# Altium PCB drac_v3.PcbDoc (part 2 of 5)
Units mm, origin at the board's own origin, x right, y up, seen from the top; angles counter-clockwise.
Board outline 160 x 227.5 mm, 6 copper layers (Top Layer, Mid Layer 1_gnd, Mid Layer 2, Mid Layer 3, Mid Layer 4_gnd, Bottom Layer), stack 1.597 mm thick; 492 components, 264 nets, 1625 pads, 1112 vias.
Unrouted connection lines stored in the file: 68.
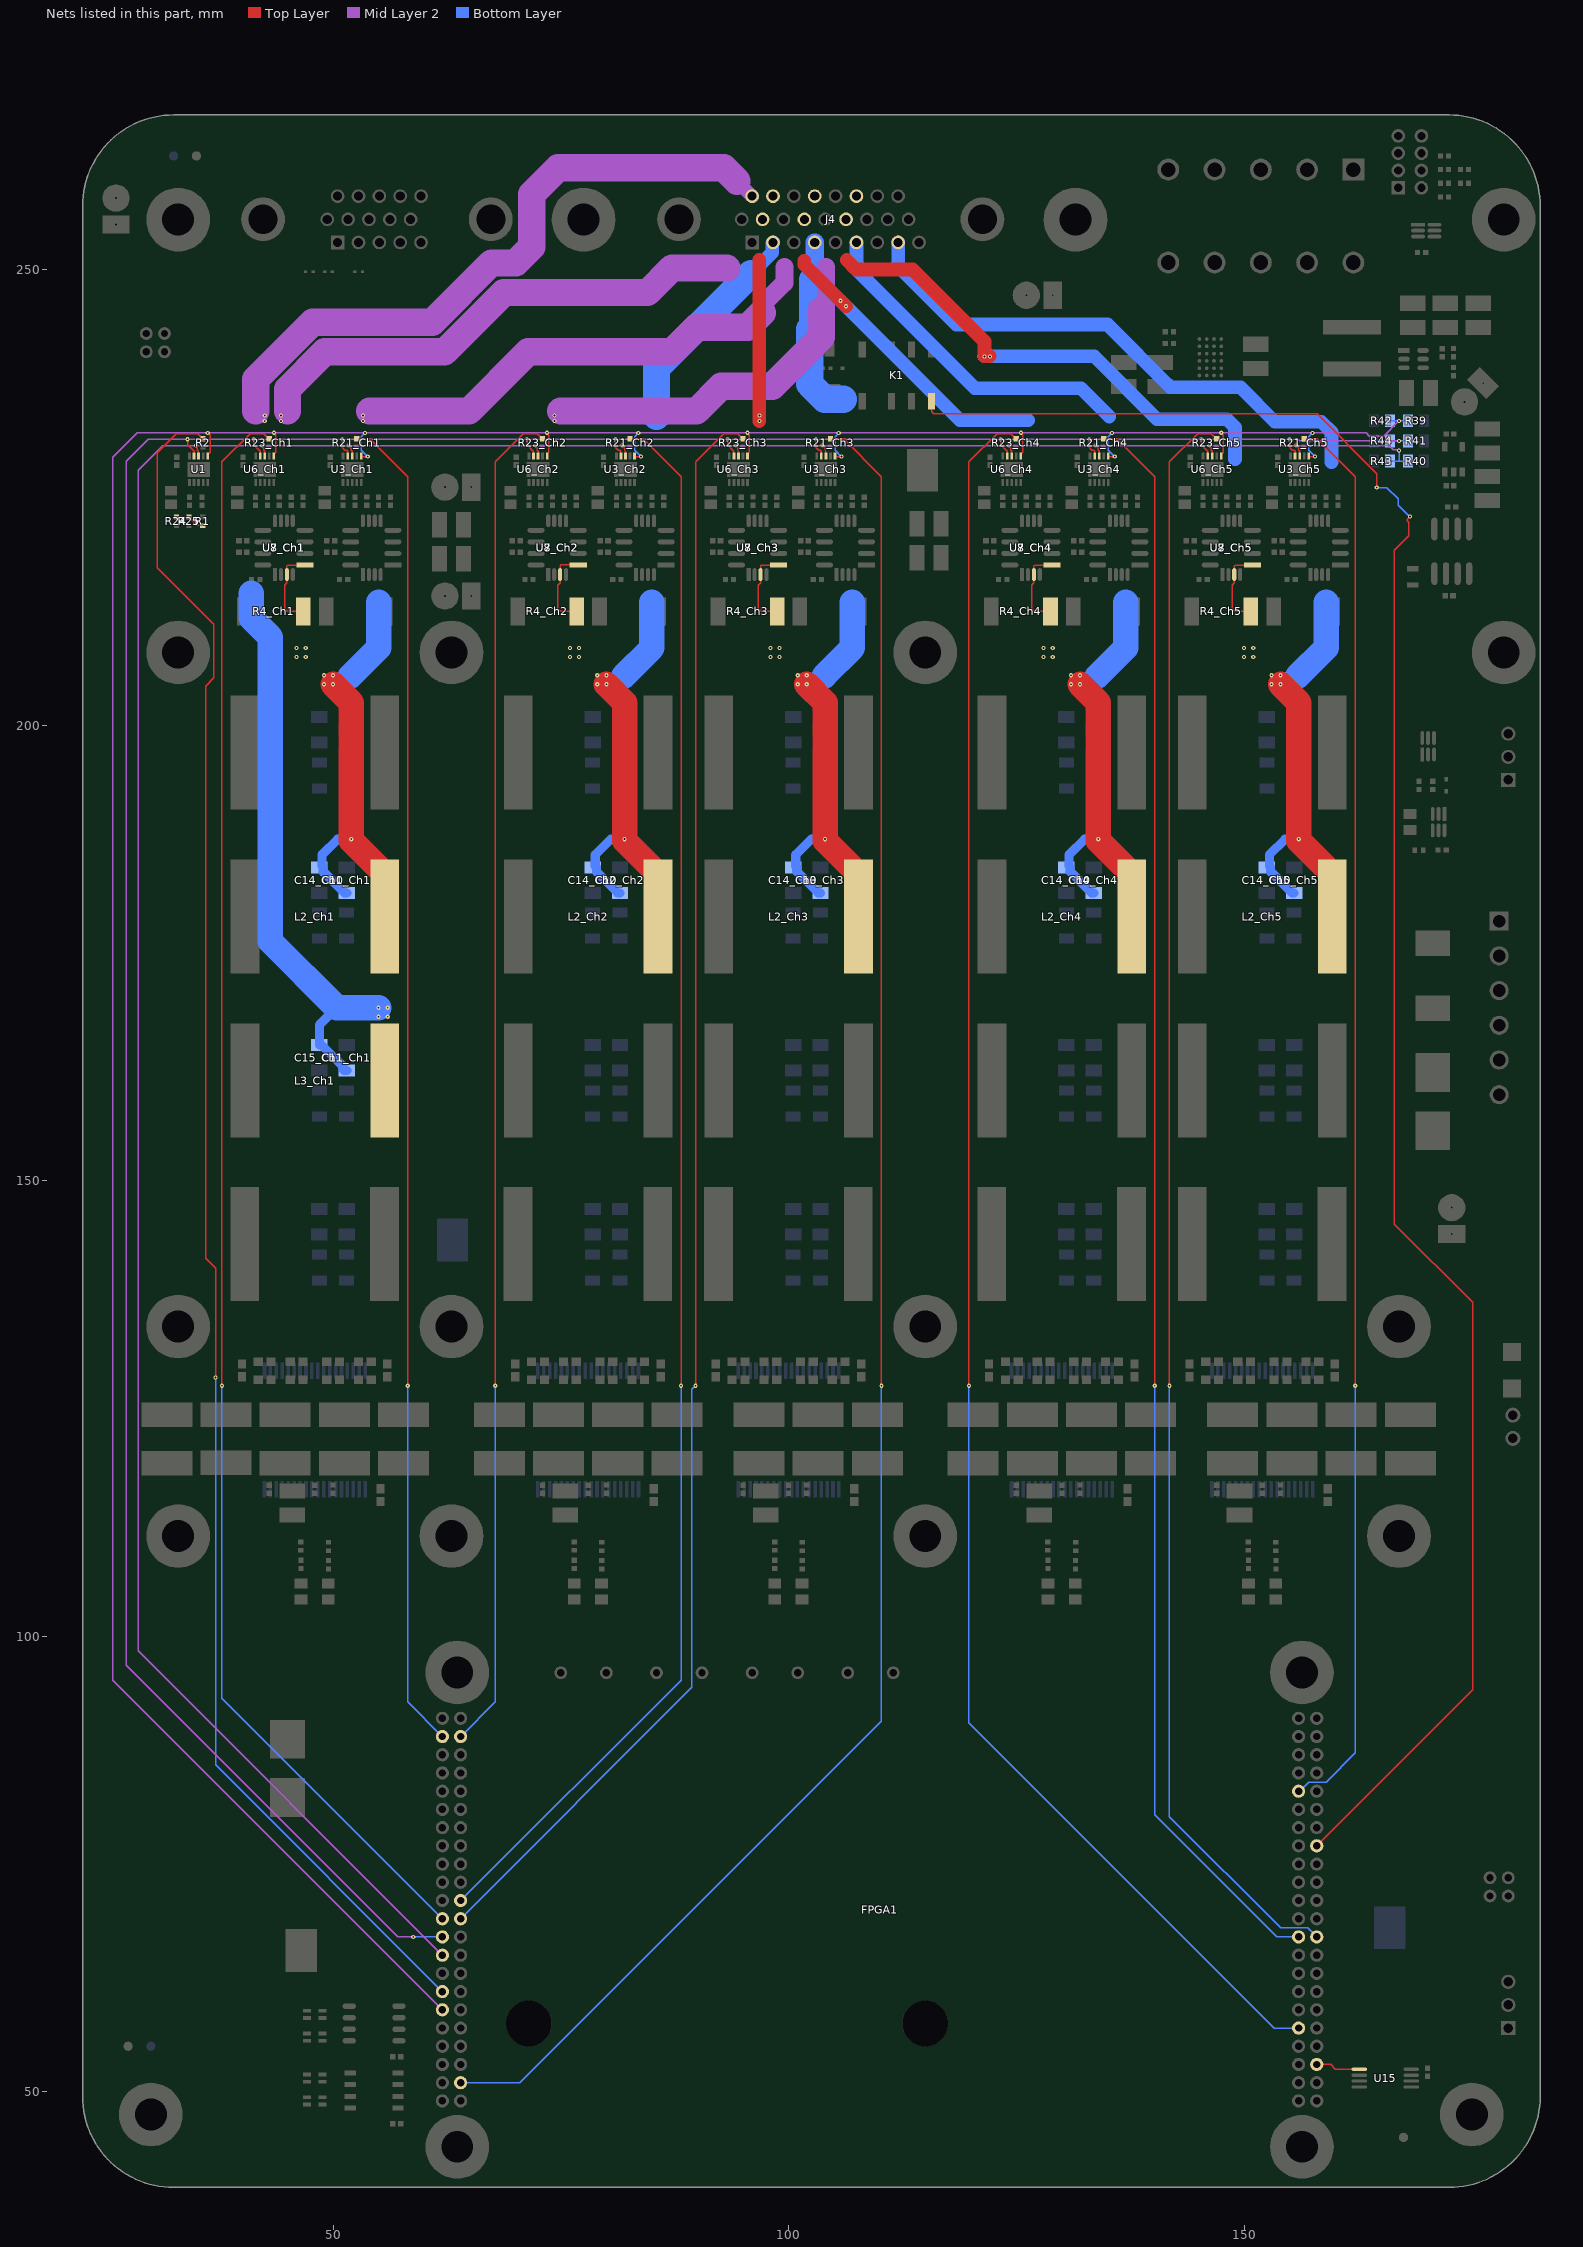
[diagram p6: the nets of this part, all layers, seen from the top]

## Components (designator, comment, footprint, x,y, rotation, side; value= is the part's Value field where it differs from the comment) (continued)
U4_Ch3 "INA240A1PW" PW0008A_N 106.25,219.5 r90 top (schematic designator U4)
U4_Ch4 "INA240A1PW" PW0008A_N 136.25,219.5 r90 top (schematic designator U4)
U4_Ch5 "INA240A1PW" PW0008A_N 158.25,219.5 r90 top (schematic designator U4)
U5_Ch1 "INA240A1D" FP-D0008A-IPC_C 54.25,219.5 r180 top (schematic designator U5)
U5_Ch2 "INA240A1D" FP-D0008A-IPC_C 84.25,219.5 r180 top (schematic designator U5)
U5_Ch3 "INA240A1D" FP-D0008A-IPC_C 106.25,219.5 r180 top (schematic designator U5)
U5_Ch4 "INA240A1D" FP-D0008A-IPC_C 136.25,219.5 r180 top (schematic designator U5)
U5_Ch5 "INA240A1D" FP-D0008A-IPC_C 158.25,219.5 r180 top (schematic designator U5)
U6_Ch1 "AD4008BCPZ-RL7" CP_10_9 42.5,228.1 r90 top value=Value (schematic designator U6)
U6_Ch2 "AD4008BCPZ-RL7" CP_10_9 72.5,228.1 r90 top value=Value (schematic designator U6)
U6_Ch3 "AD4008BCPZ-RL7" CP_10_9 94.5,228.1 r90 top value=Value (schematic designator U6)
U6_Ch4 "AD4008BCPZ-RL7" CP_10_9 124.5,228.1 r90 top value=Value (schematic designator U6)
U6_Ch5 "AD4008BCPZ-RL7" CP_10_9 146.5,228.1 r90 top value=Value (schematic designator U6)
U7_Ch1 "INA240A1PW" PW0008A_N 44.6,219.5 r90 top (schematic designator U7)
U7_Ch2 "INA240A1PW" PW0008A_N 74.6,219.5 r90 top (schematic designator U7)
U7_Ch3 "INA240A1PW" PW0008A_N 96.6,219.5 r90 top (schematic designator U7)
U7_Ch4 "INA240A1PW" PW0008A_N 126.6,219.5 r90 top (schematic designator U7)
U7_Ch5 "INA240A1PW" PW0008A_N 148.6,219.5 r90 top (schematic designator U7)
U8_Ch1 "INA240A1D" FP-D0008A-IPC_C 44.6,219.5 r180 top (schematic designator U8)
U8_Ch2 "INA240A1D" FP-D0008A-IPC_C 74.6,219.5 r180 top (schematic designator U8)
U8_Ch3 "INA240A1D" FP-D0008A-IPC_C 96.6,219.5 r180 top (schematic designator U8)
U8_Ch4 "INA240A1D" FP-D0008A-IPC_C 126.6,219.5 r180 top (schematic designator U8)
U8_Ch5 "INA240A1D" FP-D0008A-IPC_C 148.6,219.5 r180 top (schematic designator U8)
U9 "SN65LVDS34D" SOIC127P600X175-8N 54.5,57.5 r180 top
U10 "DS90LV027ATM/NOPB" D0008A_L 54.5,50.143 r180 top
U11 "LP5907MFX-1.8/NOPB" DBV0005A_N 173,229.2 r90 top
U12 "LTM8063EY#PBF" FP-BGA-28-05-08-1517-MFG 146.3,240 r0 top
U13 "ADR4540BRZ" ADI-R-8_M 172.8,219.1 r270 top
U14 "TPS562201DDCT" FP-DDC0006A-IPC_C 168.6,240.2 r0 top
U15 "25AA128T-I/ST" TSSOP-ST8_N 165.5,51.5 r0 top

## Footprints (in the part's own frame and the unit in brackets; to place one, negate y for a bottom-side part, rotate by r counter-clockwise, add the part's x,y. Pads: shape width x height; smd on the part's side, far side on the other; paste and mask are expansions set on the pad)
100TXW220MEFC10X40_horizontal [mm]
  round 1.4 hole 0.8: 1(0,0) 2(5,0)
  silkscreen extent -2.5,1 7.5,44.5, body extent -2.5,2.5 7.5,44.5, height 10
618015325223 [mm]
  rect 1.5x1.5 / inner rect 1.5x1.5 / far side rect 1.905x1.905 hole 1: 1(4.32,2.54)
  round 1.5 / inner round 1.5 / far side round 1.905 hole 1: 2(2.03,2.54) 3(-0.26,2.54) 4(-2.55,2.54) 5(-4.84,2.54) 6(5.46,0) 7(3.17,0) 8(0.88,0) 9(-1.41,0) 10(-3.7,0) 11(4.32,-2.54) 12(2.03,-2.54) 13(-0.26,-2.54) 14(-2.55,-2.54) 15(-4.84,-2.54)
  round 4.8 hole 3.2: M1(-12.5,0) M2(12.5,0)
  silkscreen extent -15.4,-17.43 15.4,4.87, body extent -15.4,-17.43 15.4,4.87, height 12.75
618026325223 [mm]
  rect 1.5x1.5 / inner rect 1.5x1.5 / far side rect 1.905x1.905 hole 1: 1(8.63,2.54)
  round 1.5 / inner round 1.5 / far side round 1.905 hole 1: 2(6.34,2.54) 3(4.05,2.54) 4(1.76,2.54) 5(-0.53,2.54) 6(-2.82,2.54) 7(-5.11,2.54) 8(-7.4,2.54) 9(-9.69,2.54) 10(9.77,0) 11(7.48,0) 12(5.19,0) 13(2.9,0) 14(0.61,0) 15(-1.68,0) 16(-3.97,0) 17(-6.26,0) 18(-8.55,0) 19(8.63,-2.54) 20(6.34,-2.54) 21(4.05,-2.54) 22(1.76,-2.54) 23(-0.53,-2.54) 24(-2.82,-2.54) 25(-5.11,-2.54) 26(-7.4,-2.54)
  round 4.8 hole 3.2: M1(-16.65,0) M2(16.65,0)
  silkscreen extent -19.6,-17.43 19.6,4.87, body extent -19.6,-17.43 19.6,4.87, height 12.75
691321300006 [mm] "Vertical PCB Header, pitch 3.81mm, 06p"
  rect 2.1x2.1 hole 1.4: 1(-9.525,-0.8)
  round 2.1 hole 1.4: 2(-5.715,-0.8) 3(-1.905,-0.8) 4(1.905,-0.8) 5(5.715,-0.8) 6(9.525,-0.8)
  silkscreen extent -12.02,-3.6 12.03,3.6, body extent -12.02,-3.6 12.02,3.6, height 9.25
691331510010 [mm] "5,08mm - PCB - Dual row - Horizontal - 10p"
  rect 2.4x2.4 hole 1.6: 1(-10.16,-1.2)
  round 2.4 hole 1.6: 2(-5.08,-1.2) 3(0,-1.2) 4(5.08,-1.2) 5(10.16,-1.2) 6(-10.16,9) 7(-5.08,9) 8(0,9) 9(5.08,9) 10(10.16,9)
  silkscreen extent -13.7,-11 13.7,11, body extent -13.7,-11 13.7,11, height 28.85
ADI-R-8_M [mm] "SOIC, 8-Leads, Body 4.9x3.9mm, Pitch 1.27mm, IPC Low Density"
  oval 2.5x0.7 smd: 1(-2.45,1.905) 2(-2.45,0.635) 3(-2.45,-0.635) 4(-2.45,-1.905) 5(2.45,-1.905) 6(2.45,-0.635) 7(2.45,0.635) 8(2.45,1.905)
  silkscreen extent -2.57,-2.5 0.8,2.93, body extent -2,-2.5 2,2.5, height 1.75
CAPC3216X180X50NL20T25 [mm] "Chip Capacitor, 2-Leads, Body 3.40x1.80mm, IPC Medium Density"
  rect 1.3x1.8 smd: 1(-1.4,0) 2(1.4,0)
  silkscreen extent -0.35,-0.8 0.35,0.8, body extent -1.7,-0.9 1.7,0.9, height 1.8
CP_10_9 [mm]
  rect 0.8x0.3 smd: 1(-1.45,1) 2(-1.45,0.5) 3(-1.45,0) 4(-1.45,-0.5) 5(-1.45,-1) 6(1.45,-1) 7(1.45,-0.5) 8(1.45,0) 9(1.45,0.5) 10(1.45,1)
  rect 1.64x2.48 smd paste-1.227: 11(0,0)
  silkscreen extent -2.28,-1.63 1.63,1.63, body extent -1.55,-1.5 1.55,1.5, height 0.75
D0008A_L [mm] "SOIC, 8-Leads, Body 5x4mm, Pitch 1.27mm, IPC High Density"
  rrect18% 1.25x0.55 smd: 1(-2.625,1.905) 2(-2.625,0.635) 3(-2.625,-0.635) 4(-2.625,-1.905) 5(2.625,-1.905) 6(2.625,-0.635) 7(2.625,0.635) 8(2.625,1.905)
  silkscreen extent -2.75,-2.5 1.6,2.85, body extent -3,-2.45 3,2.45, height 1.63
DBV0005A_N [mm]
  rrect17% 1x0.6 smd: 1(-1.375,0.95) 2(-1.375,0) 3(-1.375,-0.95) 4(1.375,-0.95) 5(1.375,0.95)
  silkscreen extent -1.63,-1.55 0.38,1.55, body extent -1.42,-1.46 1.42,1.46, height 1.09
DF11-4DP-2DSA [mm]
  round 1.4 hole 0.8: 1(0,0) 2(0,-2) 3(2,0) 4(2,-2)
  silkscreen extent -2,-3.5 4,2.5, body extent -2,-3.5 4,1.5, height 6.5
DKD0036A_L_extra_clearance [mm] "SOP, 36-Leads, Body 16x11.1mm, Pitch 0.65mm, IPC High Density"
  rrect22% 1.8x0.394 smd: 1(-6.5,5.525) 2(-6.5,4.875) 3(-6.5,4.225) 4(-6.5,3.575) 5(-6.5,2.925) 6(-6.5,2.275) 7(-6.5,1.625) 8(-6.5,0.975) 9(-6.5,0.325) 10(-6.5,-0.325) 11(-6.5,-0.975) 12(-6.5,-1.625) 13(-6.5,-2.275) 14(-6.5,-2.925) 15(-6.5,-3.575) 16(-6.5,-4.225) 17(-6.5,-4.875) 18(-6.5,-5.525) 19(6.5,-5.525) 20(6.5,-4.875) 21(6.5,-4.225) 22(6.5,-3.575) 23(6.5,-2.925) 24(6.5,-2.275) 25(6.5,-1.625) 26(6.5,-0.975) 27(6.5,-0.325) 28(6.5,0.325) 29(6.5,0.975) 30(6.5,1.625) 31(6.5,2.275) 32(6.5,2.925) 33(6.5,3.575) 34(6.5,4.225) 35(6.5,4.875) 36(6.5,5.525)
  silkscreen extent -6.62,-8 5.2,8, body extent -5.55,-8 5.55,8, height 3.6
FD [mil]
  round 40 smd: 0(0,0)
  silkscreen extent -80,-80 80,80
FP-0154-MFG [mil]
  rect 167x150 smd paste+0 mask+0: 1(-125.5,0) 2(125.5,0)
  silkscreen extent -192,-99 192,99, body extent -213,-103 213,103, height 10
FP-BGA-28-05-08-1517-MFG [mm]
  round 0.4 smd paste+0 mask+0: A1(-1.2,2.4) A2(-0.4,2.4) A3(0.4,2.4) A4(1.2,2.4) B1(-1.2,1.6) B2(-0.4,1.6) B3(0.4,1.6) B4(1.2,1.6) C1(-1.2,0.8) C2(-0.4,0.8) C3(0.4,0.8) C4(1.2,0.8) D1(-1.2,0) D2(-0.4,0) D3(0.4,0) D4(1.2,0) E1(-1.2,-0.8) E2(-0.4,-0.8) E3(0.4,-0.8) E4(1.2,-0.8) F1(-1.2,-1.6) F2(-0.4,-1.6) F3(0.4,-1.6) F4(1.2,-1.6) G1(-1.2,-2.4) G2(-0.4,-2.4) G3(0.4,-2.4) G4(1.2,-2.4)
  silkscreen extent -3.15,-3.2 2.07,3.2, body extent -2.58,-3.7 2.58,3.7, height 0.25
FP-BLM21-0_2-t0_85-e0_5-MFG [mm]
  rect 0.6x1.25 smd paste+0 mask+0: 1(-0.9,0) 2(0.9,0)
  silkscreen extent -0.23,-0.72 0.23,0.72, body extent -1.3,-0.82 1.3,0.82, height 0.25
FP-CL21-IPC_C [mm]
  rect 1.055x1.356 smd paste+0 mask+0: 1(-0.726,0) 2(0.726,0)
  silkscreen extent -1.25,-1.12 1.25,1.12, body extent -1,-0.63 1,0.63, height 1.45
FP-CL32-IPC_B [mm]
  rect 1.653x2.804 smd paste+0 mask+0: 1(-1.325,0) 2(1.325,0)
  silkscreen extent -0.2,-1.4 0.2,1.4, body extent -2.4,-1.65 2.4,1.65, height 0.25
FP-CRCW0402-E3-IPC_B [mm]
  rect 0.568x0.572 smd paste+0 mask+0: 1(-0.452,0) 2(0.452,0)
  silkscreen extent -0.92,-0.48 0.92,0.48, body extent -0.89,-0.44 0.89,0.44, height 0.25
FP-CRCW0402-e3-IPC_B [mm]
  rect 0.568x0.572 smd paste+0 mask+0: 1(-0.452,0) 2(0.452,0)
  silkscreen extent -0.92,-0.48 0.92,0.48, body extent -0.89,-0.44 0.89,0.44, height 0.25
FP-CRCW0805-HPE3-IPC_B [mm]
  rect 1.106x1.408 smd paste+0 mask+0: 1(-0.876,0) 2(0.876,0)
  silkscreen extent -1.68,-0.95 1.68,0.95, body extent -1,-0.63 1,0.63, height 0.6
FP-D0008A-IPC_C [mm]
  rect 1.869x0.542 smd paste+0 mask+0: 1(-2.314,1.905)
  rrect100% 1.869x0.542 smd paste+0 mask+0: 2(-2.314,0.635) 3(-2.314,-0.635) 4(-2.314,-1.905) 5(2.314,-1.905) 6(2.314,-0.635) 7(2.314,0.635) 8(2.314,1.905)
  silkscreen extent -3.92,1.78 -3.67,2.03, body extent -3.35,-2.55 3.35,2.55, height 0.25
FP-DDC0006A-IPC_C [mm]
  rect 1.254x0.532 smd paste+0 mask+0: 1(-1.05,0.95)
  rrect100% 1.254x0.532 smd paste+0 mask+0: 2(-1.05,0) 3(-1.05,-0.95) 4(1.05,-0.95) 5(1.05,0) 6(1.05,0.95)
  silkscreen extent -2.37,-1.7 1.4,1.7, body extent -1.78,-1.55 1.78,1.55, height 0.25
FP-G6K2GYDC3-MFG [mm]
  rect 0.8x1.8 smd paste+0 mask+0: 1(-3.8,-2.85) 2(-0.6,-2.85) 3(1.6,-2.85) 4(3.8,-2.85) 5(3.8,2.85) 6(1.6,2.85) 7(-0.6,2.85) 8(-3.8,2.85)
  silkscreen extent -5.1,-4.45 5.1,3.35, body extent -5.2,-3.85 5.2,3.85, height 0.25
FP-GRM155-0_05-IPC_B [mm]
  rect 0.615x0.572 smd paste+0 mask+0: 1(-0.429,0) 2(0.429,0)
  silkscreen extent -0.92,-0.48 0.92,0.48, body extent -0.89,-0.44 0.89,0.44, height 0.25
FP-GRM188-0_1-E0_2_0_55-IPC_B [mm]
  rect 1.008x0.912 smd paste+0 mask+0: 1(-0.702,0) 2(0.702,0)
  silkscreen extent -1.45,-0.7 1.45,0.7, body extent -1.46,-0.71 1.46,0.71, height 0.25
FP-KRM55W-6_1_5_3_6_7_1_2-MFG [mm]
  rect 2.7x5.6 smd paste+0 mask+0: 1(-2.65,0) 2(2.65,0)
  silkscreen extent -0.92,-2.75 0.92,2.75, body extent -4.1,-2.9 4.1,2.9, height 0.25
FP-SOT363-IPC_A [mm]
  rect 1.51x0.412 smd paste+0 mask+0: 1(-0.901,0.65)
  rrect100% 1.51x0.412 smd paste+0 mask+0: 2(-0.901,0) 3(-0.901,-0.65) 4(0.901,-0.65) 5(0.901,0) 6(0.901,0.65)
  silkscreen extent -1.05,-1.33 1.05,1.33, body extent -2.16,-1.58 2.16,1.58, height 0.25
FPGA-dummy [mil]
  round 57 / inner round 52 / far side round 57 hole 32: 1(14.37,1851.77) 2(-64.37,1851.77) 3(14.37,1773.03) 4(-64.37,1773.03) 5(14.37,1694.29) 6(-64.37,1694.29) 7(14.37,1615.55) 8(-64.37,1615.55) 9(14.37,1536.81) 10(-64.37,1536.81) 11(14.37,1458.07) 12(-64.37,1458.07) 13(14.37,1379.33) 14(-64.37,1379.33) 15(14.37,1300.59) 16(-64.37,1300.59) 17(14.37,1221.85) 18(-64.37,1221.85) 19(14.37,1143.11) 20(-64.37,1143.11) 21(14.37,1064.37) 22(-64.37,1064.37) 23(14.37,985.63) 24(-64.37,985.63) 25(14.37,906.89) 26(-64.37,906.89) 27(14.37,828.15) 28(-64.37,828.15) 29(14.37,749.41) 30(-64.37,749.41) 31(14.37,670.67) 32(-64.37,670.67) 33(14.37,591.93) 34(-64.37,591.93) 35(14.37,513.19) 36(-64.37,513.19) 37(14.37,434.45) 38(-64.37,434.45) 39(14.37,355.71) 40(-64.37,355.71) 41(14.37,276.97) 42(-64.37,276.97) 43(14.37,198.23) 44(-64.37,198.23) 45(3714.37,1851.77) 46(3635.63,1851.77) 47(3714.37,1773.03) 48(3635.63,1773.03) 49(3714.37,1694.29) 50(3635.63,1694.29) 51(3714.37,1615.55) 52(3635.63,1615.55) 53(3714.37,1536.81) 54(3635.63,1536.81) 55(3714.37,1458.07) 56(3635.63,1458.07) 57(3714.37,1379.33) 58(3635.63,1379.33) 59(3714.37,1300.59) 60(3635.63,1300.59) 61(3714.37,1221.85) 62(3635.63,1221.85) 63(3714.37,1143.11) 64(3635.63,1143.11) 65(3714.37,1064.37) 66(3635.63,1064.37) 67(3714.37,985.63) 68(3635.63,985.63) 69(3714.37,906.89) 70(3635.63,906.89) 71(3714.37,828.15) 72(3635.63,828.15) 73(3714.37,749.41) 74(3635.63,749.41) 75(3714.37,670.67) 76(3635.63,670.67) 77(3714.37,591.93) 78(3635.63,591.93) 79(3714.37,513.19) 80(3635.63,513.19) 81(3714.37,434.45) 82(3635.63,434.45) 83(3714.37,355.71) 84(3635.63,355.71) 85(3714.37,276.97) 86(3635.63,276.97) 87(3714.37,198.23) 88(3635.63,198.23)
  silkscreen extent -95,316 3754,1891, body extent -104,158 3753,1891, height 236
HDR-2X1-100 [mil]
  round 65 / inner round 60 / far side round 75 hole 40: 1(-50,0) 2(50,0)
  silkscreen extent -100,-115 100,115, body extent -100,-125 100,100, height 397
INDUCTOR-XAL7030 [mil] "Coilcraft: XAL7030"
  rect 250x64 smd mask+3: 1(0,-90) 2(0,90)
  silkscreen extent -160,-160 160,160, body extent -157,-157 157,157, height 122
MOLX-22-23-2031_V [mm] "CONN, 3-Leads, Body 7.62x6.35mm, Pitch 2.54mm"
  rect 1.55x1.55 hole 1.05: 1(-2.54,0)
  round 1.55 hole 1.05: 2(0,0) 3(2.54,0)
  silkscreen extent -4.58,-3.18 3.81,3.18, body extent -3.73,-3.25 3.73,3.1, height 10.67
ONSC-SMA-2-403D-02_F_V [mm] "Molded, 2-Leads, Body 4.32x2.6mm"
  rect 2x2 smd: 1(-2,0) 2(2,0)
  silkscreen extent -3.67,-1.3 0.74,1.3, body extent -2.16,-1.3 2.16,1.3, height 2.2
ONSC-SMC-2-403-03_V [mil] "Molded, 2-Leads, Body 6.86x5.84mm"
  rect 110x150 smd: 1(-140.49,0) 2(140.49,0)
  silkscreen extent -222,-115 135,115, body extent -135,-115 135,115, height 99
ONSC-SOD-523-2-502-01_V [mm] "SOD, 2-Leads, Body 1.2x0.8mm"
  rect 0.48x0.4 smd: 1(-0.66,0) 2(0.66,0)
  silkscreen extent -0.75,-0.4 0.07,0.65, body extent -0.6,-0.4 0.6,0.4, height 0.7
ONSC-SOD-923-2-514AB-01_V [mm] "SOD, 2-Leads, Body 0.8x0.6mm"
  rect 0.36x0.25 smd: 1(-0.42,0) 2(0.42,0)
  silkscreen extent -0.47,0.48 -0.37,0.57, body extent -0.4,-0.3 0.4,0.3, height 0.4
PW0008A_N [mm]
  rect 1.4x0.45 smd: 1(-2.95,0.975)
  oval 1.4x0.45 smd: 2(-2.95,0.325) 3(-2.95,-0.325) 4(-2.95,-0.975) 5(2.95,-0.975) 6(2.95,-0.325) 7(2.95,0.325) 8(2.95,0.975)
  silkscreen extent -4.19,0.76 -3.94,1.01, body extent -3.23,-1.5 3.23,1.5, height 1.2
RESC3216X70X50NL05T20 [mm] "Chip Resistor, 2-Leads, Body 3.20x1.60mm, IPC Medium Density"
  rect 1.1x1.65 smd: 1(-1.425,0) 2(1.425,0)
  silkscreen extent -0.5,-0.72 0.5,0.72, body extent -1.63,-0.82 1.62,0.82, height 0.7
ROHM-SML-P11MT_V [mm] "SMD, 2-Leads, Body 0.6x1mm"
  rect 0.5x0.6 smd: 1(-0.45,0) 2(0.45,0)
  silkscreen extent 1.2,-0.3 1.2,0.3, body extent -0.5,-0.3 0.5,0.3, height 0.25
SOIC127P600X175-8N [mm]
  oval 1.45x0.6 smd: 1(-2.725,1.905) 2(-2.725,0.635) 3(-2.725,-0.635) 4(-2.725,-1.905) 5(2.725,-1.905) 6(2.725,-0.635) 7(2.725,0.635) 8(2.725,1.905)
  silkscreen extent -2.85,-2.5 1.6,2.88, body extent -2,-2.5 2,2.5, height 1.75
SRP1770TA [mm] "Precision Wire Wound Inductor, 2-Leads, Body 16.90x16.90mm, IPC Medium Density"
  rect 3.15x12.5 smd: 1(-7.675,0) 2(7.675,0)
  silkscreen extent -8.45,-8.45 8.45,8.45, body extent -8.45,-8.45 8.45,8.45, height 7
"STACKPOLE CSR2512" [mm] "Chip Resistor, 2-Leads, Body 6.40x3.20mm, IPC Medium Density"
  rect 1.6x3.1 smd: 1(-3.25,0) 2(3.25,0)
  silkscreen extent -4.3,-1.8 4.3,1.8, body extent -3.27,-1.6 3.28,1.6, height 0.5
Testpoint_Keystone_Compact [mil]
  rect 185x135 smd: 1(0,0)
  silkscreen extent -110,-80 110,80, body extent -75,-56 75,56, height 91
TP_GND [mm]
  round 3 / inner round 0.457 / far side round 0.457 hole 0.203 paste-1.5 mask+0.102: 1(0,0)
  rect 3x2 / inner round 0.457 / far side round 0.457 hole 0.203 paste-1 mask+0.102: 2(0,-2.9)
  silkscreen extent -1.9,-1.48 1.9,1.9
TSSOP-ST8_N [mm] "TSOP, 8-Leads, Body 3x4.4mm, Pitch 0.65mm, IPC Medium Density"
  oval 1.7x0.35 smd: 1(-2.85,0.975) 2(-2.85,0.325) 3(-2.85,-0.325) 4(-2.85,-0.975) 5(2.85,-0.975) 6(2.85,-0.325) 7(2.85,0.325) 8(2.85,0.975)
  silkscreen extent -2.97,-1.55 1.6,1.82, body extent -2.25,-1.55 2.25,1.55, height 1.2
WE-CNSW-0805 [mm] "SMD Inductor, 4-Leads, Body 1.4 x 2.2 mm"
  rect 0.9x0.4 smd: 1(-0.85,0.4) 2(0.85,0.4) 3(0.85,-0.4) 4(-0.85,-0.4)
  body extent -1,-0.6 1,0.6, height 1.18
WP934SB/4GD [mm]
  rect 1.5x1.5 hole 0.9: 1(2.85,-1.27)
  round 1.5 hole 0.9: 2(2.85,1.27) 3(0.95,-1.27) 4(0.95,1.27) 5(-0.95,-1.27) 6(-0.95,1.27) 7(-2.85,-1.27) 8(-2.85,1.27)
  silkscreen extent -5.64,-2.22 5.06,2.23, body extent -5.64,-2.22 5.06,2.23, height 20.3

## Part data
C1 C2 C3 C17_Ch1 C17_Ch2 C17_Ch3 C17_Ch4 C17_Ch5 C18_Ch1 C18_Ch2 C18_Ch3 C18_Ch4 C18_Ch5 C19_Ch1 C19_Ch2 C19_Ch3 C19_Ch4 C19_Ch5 C20_Ch1 C20_Ch2 C20_Ch3 C20_Ch4 C20_Ch5 C24_Ch1 C24_Ch2 C24_Ch3 C24_Ch4 C24_Ch5 C28_Ch1 C28_Ch2 C28_Ch3 C28_Ch4 C28_Ch5 C33_Ch1 C33_Ch2 C33_Ch3 C33_Ch4 C33_Ch5 C34_Ch1 C34_Ch2 C34_Ch3 C34_Ch4 C34_Ch5 C35_Ch1 C35_Ch2 C35_Ch3 C35_Ch4 C35_Ch5 C36_Ch1 C36_Ch2 C36_Ch3 C36_Ch4 C36_Ch5 C37_Ch1 C37_Ch2 C37_Ch3 C37_Ch4 C37_Ch5 C42_Ch1 C42_Ch2 C42_Ch3 C42_Ch4 C42_Ch5 C43_Ch1 C43_Ch2 C43_Ch3 C43_Ch4 C43_Ch5 C44_Ch1 C44_Ch2 C44_Ch3 C44_Ch4 C44_Ch5 C45 C46 C60 C80: library part 04023C104KAT2A, "CAP CER 0.1UF 25V X7R 0402", Device Package="0402 (1005 Metric)", Manufacturer="AVX Corporation", Operating Temperature="-55°C ~ 125°C", Supplier Part Number 1=478-7868-1-ND, Temperature Coefficient=X7R, Tolerance=±10%, Voltage - Rated=25V, Applications="General Purpose", Capacitance=0.1µF, ComponentLink1Description=Datasheet, ComponentLink1URL=http://datasheets.avx.com/X7RDielectric.pdf, ComponentLink2Description="DigiKey Link", ComponentLink2URL=http://digikey.com/product-detail/en/avx-corporation/04023C104KAT2A/478-7868-1-ND/3881491, LastUpdated="9/2/2020 1:02:21 AM", Lifecycle Status=Active, Minimum Order=1, Mounting Type="Surface Mount, MLCC", Package / Case="0402 (1005 Metric)", Packaging=CutTape, Part Number=04023C104KAT2A, Part Status=Active, PartId=3190, Price=0.13, Series=-, Size / Dimension="0.039\" L x 0.020\" W (1.00mm x 0.50mm)", Supplier 1=DigiKey, Thickness (Max)="0.022\" (0.55mm)"
C4 C27_Ch1 C27_Ch2 C27_Ch3 C27_Ch4 C27_Ch5 C41_Ch1 C41_Ch2 C41_Ch3 C41_Ch4 C41_Ch5: library part CMP-13271-001427-1, "CL21 Series 0805 10uF 6.3V ±10% Tolerance X7R Multilayer Ceramic Chip Capacitor", Capacitance=10uF, Case Code (Imperial)=0805, Case Code (Metric)=2012, Dielectric=X7R, Max Operating Temperature=125°C, Min Operating Temperature=-55°C, Package Quantity=3000, Tolerance=10%, Voltage=6.3V, Case/Package=0805, Depth=1.25mm, Height=1.25mm, Lead Free="Lead Free", Length=2mm, Mount="Surface Mount", Packaging="Tape and Reel", Thickness=0.055inch, Voltage Rating=6.3V, Width=0.049inch
C5_Ch1 C5_Ch2 C5_Ch3 C5_Ch4 C5_Ch5 C6_Ch1 C6_Ch2 C6_Ch3 C6_Ch4 C6_Ch5 C7_Ch1 C7_Ch2 C7_Ch3 C7_Ch4 C7_Ch5 C8_Ch1 C8_Ch2 C8_Ch3 C8_Ch4 C8_Ch5 C29_Ch1 C29_Ch2 C29_Ch3 C29_Ch4 C29_Ch5 C30_Ch1 C30_Ch2 C30_Ch3 C30_Ch4 C30_Ch5 C31_Ch1 C31_Ch2 C31_Ch3 C31_Ch4 C31_Ch5 C32_Ch1 C32_Ch2 C32_Ch3 C32_Ch4 C32_Ch5: library part 06031C104KAT2A, "CAP CER 0.1UF 100V X7R 0603", Device Package="0603 (1608 Metric)", Manufacturer="AVX Corporation", Operating Temperature="-55°C ~ 125°C", Supplier Part Number 1=478-10047-1-ND, Temperature Coefficient=X7R, Tolerance=±10%, Voltage - Rated=100V, Applications="General Purpose", Capacitance=0.1µF, ComponentLink1Description=Datasheet, ComponentLink1URL=http://datasheets.avx.com/X7RDielectric.pdf, ComponentLink2Description="DigiKey Link", ComponentLink2URL=http://digikey.com/product-detail/en/avx-corporation/06031C104KAT2A/478-10047-1-ND/6564270, LastUpdated="9/2/2020 1:03:14 AM", Lifecycle Status=Active, Minimum Order=1, Mounting Type="Surface Mount, MLCC", Package / Case="0603 (1608 Metric)", Packaging=TapeAndReel, Part Number=06031C104KAT2A, Part Status=Active, PartId=14077, Price=0.03, Series=-, Size / Dimension="0.063\" L x 0.032\" W (1.60mm x 0.81mm)", Supplier 1=DigiKey, Thickness (Max)="0.037\" (0.94mm)"
C9_Ch1 C9_Ch2 C9_Ch3 C9_Ch4 C9_Ch5 C10_Ch1 C10_Ch2 C10_Ch3 C10_Ch4 C10_Ch5 C11_Ch1 C11_Ch2 C11_Ch3 C11_Ch4 C11_Ch5 C12_Ch1 C12_Ch2 C12_Ch3 C12_Ch4 C12_Ch5: library part CMP-2000-07542-1, "Chip Capacitor, 2.2 uF, +/- 10%, 100 V, -55 to 125 degC, 1206 (3216 Metric), RoHS, Tape and Reel", Capacitance=2.2uF, Case Code (Imperial)=1206, Case Code (Metric)=3216, Dielectric=X7R, Manufacturer=AVX, Max Operating Temperature=125degC, Min Operating Temperature=-55degC, Package Description="2-Pin Surface Mount Device, Body 3.2 x 1.6 mm", Package Quantity=2500, Tolerance=10%, Voltage=100V, Case\/Package=1206, Datasheet URL=http://datasheets.avx.com/X7RDielectric.pdf, Datasheet Version=03/2017, Depth=1.6mm, Lead Free=LeadFree, Length=3.2mm, Manufacturer URL=http://www.avx.com/, Mount=SurfaceMount, Mounting Technology=SurfaceMount, Package Reference=1206, Packaging=TapeandReel, REACH SVHC=NoSVHC, RoHSCompliant=true, Termination=SMD/SMT, Thickness=0.037inch, Voltage Rating=100V, Voltage Rating (DC)=100V, Width=0.063inch
C13_Ch1 C13_Ch2 C13_Ch3 C13_Ch4 C13_Ch5 C14_Ch1 C14_Ch2 C14_Ch3 C14_Ch4 C14_Ch5 C15_Ch1 C15_Ch2 C15_Ch3 C15_Ch4 C15_Ch5 C16_Ch1 C16_Ch2 C16_Ch3 C16_Ch4 C16_Ch5: library part CMP-1037-04728-2, "Chip Capacitor, 1 uF, +/- 10%, 100 V, -55 to 125 degC, 1206 (3216 Metric), RoHS, Tape and Reel", Capacitance=1µF, Case Size/Dimension=1206, Dielectric=X7R, Manufacturer=AVX, Package Description="2-Pin Surface Mount Device, Body 3.2 x 1.6 mm", Rated Voltage=100V, Tolerance (%)=±10%, Datasheet URL=http://datasheets.avx.com/X7RDielectric.pdf, Datasheet Version=07/2016, Manufacturer URL=http://www.avx.com/, Mounting Technology=SurfaceMount, Package Reference=1206
C21_Ch1 C21_Ch2 C21_Ch3 C21_Ch4 C21_Ch5 C22_Ch1 C22_Ch2 C22_Ch3 C22_Ch4 C22_Ch5 C23_Ch1 C23_Ch2 C23_Ch3 C23_Ch4 C23_Ch5: library part TMK107B7105KA-T, "CAP CER 1UF 25V X7R 0603", Device Package="0603 (1608 Metric)", Manufacturer="Taiyo Yuden", Operating Temperature="-55°C ~ 125°C", Supplier Part Number 1=587-2984-1-ND, Temperature Coefficient=X7R, Tolerance=±10%, Voltage - Rated=25V, Applications="General Purpose", Capacitance=1µF, ComponentLink1Description=Datasheet, ComponentLink1URL=https://www.yuden.co.jp/productdata/catalog/mlcc01_e.pdf, ComponentLink2Description="DigiKey Link", ComponentLink2URL=http://digikey.com/product-detail/en/taiyo-yuden/TMK107B7105KA-T/587-2984-1-ND/2714177, LastUpdated="9/2/2020 1:03:30 AM", Lifecycle Status=Active, Minimum Order=1, Mounting Type="Surface Mount, MLCC", Package / Case="0603 (1608 Metric)", Packaging=TapeAndReel, Part Number=TMK107B7105KA-T, Part Status=Active, PartId=5586, Price=0.01, Series=M, Size / Dimension="0.063\" L x 0.031\" W (1.60mm x 0.80mm)", Supplier 1=DigiKey, Thickness (Max)="0.035\" (0.90mm)"
C25_Ch1 C25_Ch2 C25_Ch3 C25_Ch4 C25_Ch5 C47 C48 C49 C50 C51 C52 C53 C54 C57 C61 C72 C73 C74: library part CMP-13271-003818-1, "Cap Ceramic 22uF 16V X7R ±20% SMD 1210 +125°C Embossed T/R", Capacitance=22uF, Case Code (Imperial)=1210, Case Code (Metric)=3225, Dielectric=X7R, Max Operating Temperature=125°C, Min Operating Temperature=-55°C, Package Quantity=1, Tolerance=20%, Voltage Rating=16V, Case/Package=1210, Depth=2.5mm, Height=2.5mm, Length=3.2mm, Mount="Surface Mount", Packaging="Tape and Reel", Radiation Hardening=No, Thickness=0.106inch, Width=0.098inch